# Altium PCB MB1191.PcbDoc (part 2 of 7)
Units mm, origin at the board's own origin, x right, y up, seen from the top; angles counter-clockwise.
Board outline 130 x 80 mm, 8 copper layers (Top, F2, F3, F4, F5, F6, F7, Bottom), stack 1.115 mm thick; 358 components, 347 nets, 1452 pads, 1074 vias.
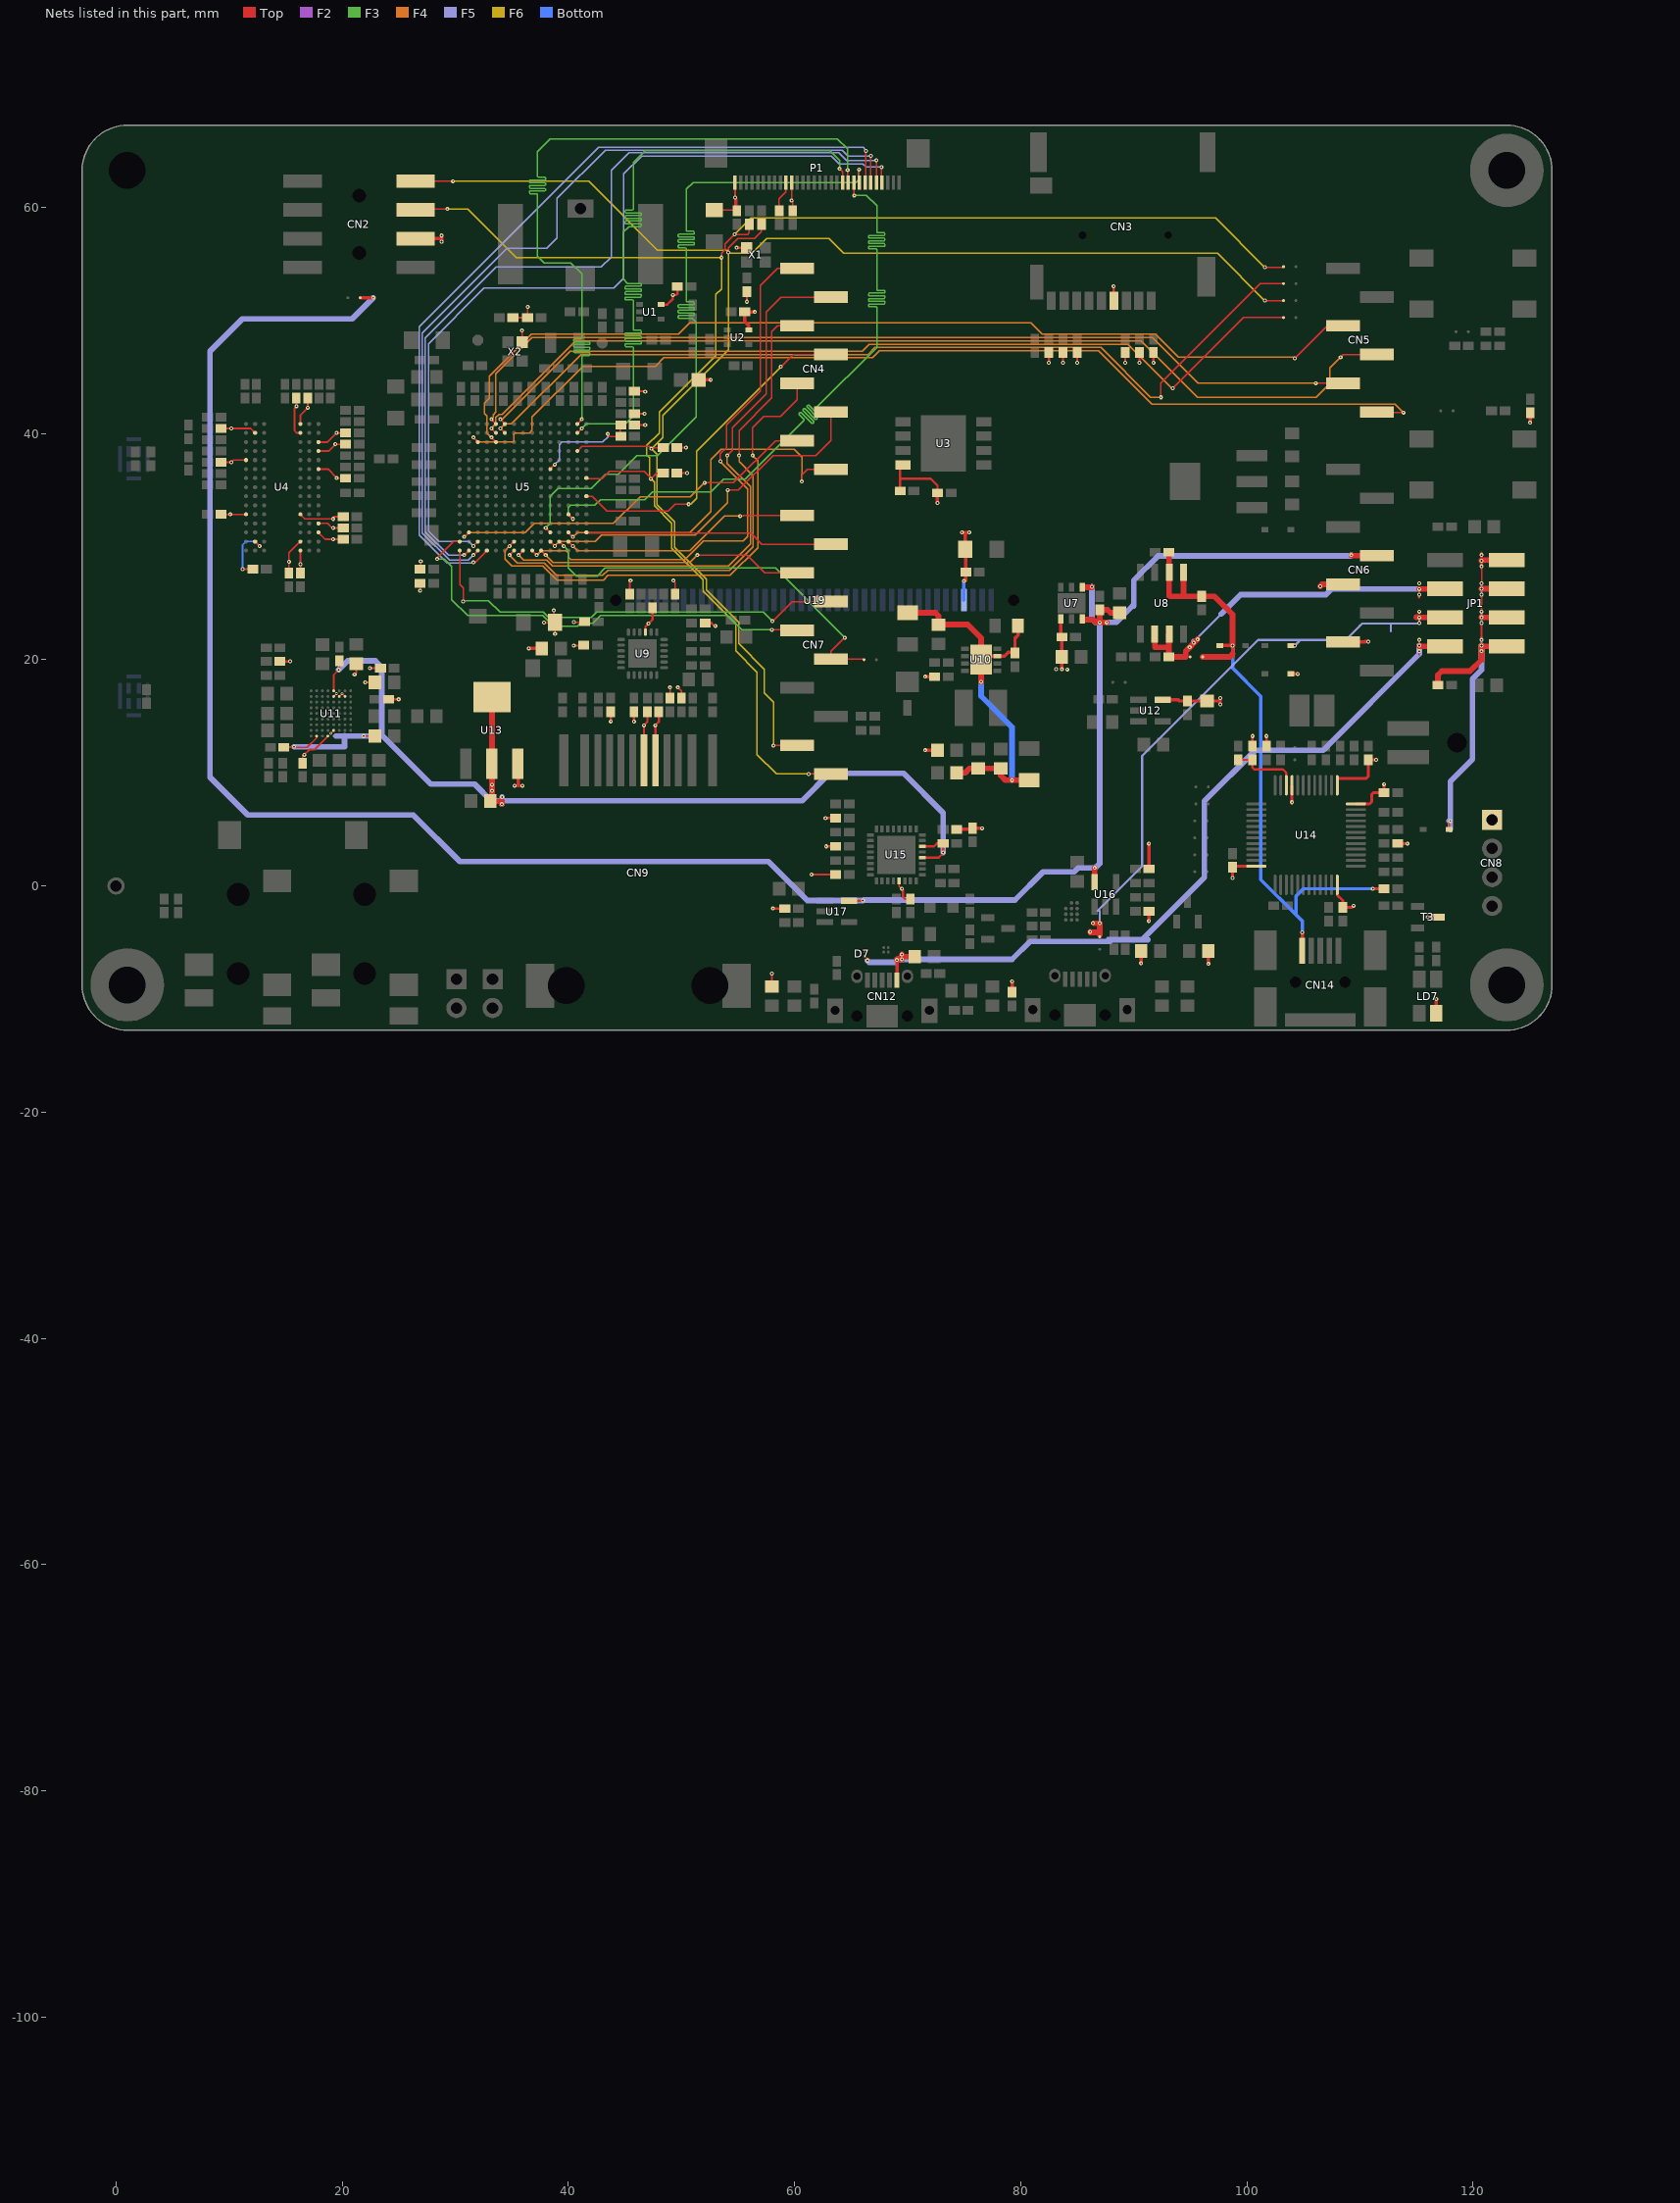
[diagram p8: the nets of this part, all layers, seen from the top]

## Footprints (in the part's own frame and the unit in brackets; to place one, negate y for a bottom-side part, rotate by r counter-clockwise, add the part's x,y. Pads: shape width x height; smd on the part's side, far side on the other; paste and mask are expansions set on the pad) (continued)
QFN24_0R5_4X4 [mm]
  oval 0.69x0.28 smd: 1(-1.9,1.25) 2(-1.9,0.75) 3(-1.9,0.25) 4(-1.9,-0.25) 5(-1.9,-0.75) 6(-1.9,-1.25) 13(1.9,-1.25) 14(1.9,-0.75) 15(1.9,-0.25) 16(1.9,0.25) 17(1.9,0.75) 18(1.9,1.25)
  oval 0.28x0.69 smd: 7(-1.25,-1.9) 8(-0.75,-1.9) 9(-0.25,-1.9) 10(0.25,-1.9) 11(0.75,-1.9) 12(1.25,-1.9) 19(1.25,1.9) 20(0.75,1.9) 21(0.25,1.9) 22(-0.25,1.9) 23(-0.75,1.9) 24(-1.25,1.9)
  rect 2.5x2.5 smd: 25(0,0)
  silkscreen extent -2.82,-2.5 2.5,2.5
QFN32_0R5_5X5 [mm]
  rect 0.6x0.3 smd: 1(-2.3,1.75) 2(-2.3,1.25) 3(-2.3,0.75) 4(-2.3,0.25) 5(-2.3,-0.25) 6(-2.3,-0.75) 7(-2.3,-1.25) 8(-2.3,-1.75) 17(2.3,-1.75) 18(2.3,-1.25) 19(2.3,-0.75) 20(2.3,-0.25) 21(2.3,0.25) 22(2.3,0.75) 23(2.3,1.25) 24(2.3,1.75)
  rect 0.3x0.6 smd: 9(-1.75,-2.3) 10(-1.25,-2.3) 11(-0.75,-2.3) 12(-0.25,-2.3) 13(0.25,-2.3) 14(0.75,-2.3) 15(1.25,-2.3) 16(1.75,-2.3) 25(1.75,2.3) 26(1.25,2.3) 27(0.75,2.3) 28(0.25,2.3) 29(-0.25,2.3) 30(-0.75,2.3) 31(-1.25,2.3) 32(-1.75,2.3)
  rect 3.4x3.4 smd: 33(0,0)
  silkscreen extent -3.05,-3.05 3.05,3.05
"QFP48 7X7" [mm]
  oval 1.803x0.257 smd: 1(-4.4,2.75) 12(-4.4,-2.75) 25(4.4,-2.75) 36(4.4,2.75)
  oval 1.803x0.254 smd: 2(-4.4,2.25) 3(-4.4,1.75) 4(-4.4,1.25) 5(-4.4,0.75) 6(-4.4,0.25) 7(-4.4,-0.25) 8(-4.4,-0.75) 9(-4.4,-1.25) 10(-4.4,-1.75) 11(-4.4,-2.25) 26(4.4,-2.25) 27(4.4,-1.75) 28(4.4,-1.25) 29(4.4,-0.75) 30(4.4,-0.25) 31(4.4,0.25) 32(4.4,0.75) 33(4.4,1.25) 34(4.4,1.75) 35(4.4,2.25)
  oval 0.257x1.803 smd: 13(-2.75,-4.4) 24(2.75,-4.4) 37(2.75,4.4) 48(-2.75,4.4)
  oval 0.254x1.803 smd: 14(-2.25,-4.4) 15(-1.75,-4.4) 16(-1.25,-4.4) 17(-0.75,-4.4) 18(-0.25,-4.4) 19(0.25,-4.4) 20(0.75,-4.4) 21(1.25,-4.4) 22(1.75,-4.4) 23(2.25,-4.4) 38(2.25,4.4) 39(1.75,4.4) 40(1.25,4.4) 41(0.75,4.4) 42(0.25,4.4) 43(-0.25,4.4) 44(-0.75,4.4) 45(-1.25,4.4) 46(-1.75,4.4) 47(-2.25,4.4)
  silkscreen extent -3.96,-2.98 2.97,3.96
RCA_SMD [mm]
  rect 1.6x2.3 hole 1 square mask+0.05: 1(0,0)
  rect 7.1x2.2 smd mask+0.05: 1(3.15,6.2) 1(3.15,-6.2)
  rect 2.2x2.6 smd mask+0.05: 2(6.2,0)
  silkscreen extent -8.5,-5 4.98,5, body extent -8.52,-7 6.5,7, height 12.1
RJ45_HR961160C [mm]
  rect 0.8x4.6 smd: 1(6.579,19.914) 2(4.75,19.914) 11(-4.75,19.914) 12(-6.579,19.914)
  rect 0.6x4.6 smd: 3(3.556,19.914) 4(2.54,19.914) 5(1.524,19.914) 6(0.508,19.914) 7(-0.508,19.914) 8(-1.524,19.914) 9(-2.54,19.914) 10(-3.556,19.914)
  rect 2.5x3.9 smd: 13(8.687,0) 14(-8.687,0)
  round 2.5 hole 3.25 unplated: 15(-6.35,0) 16(6.35,0)
  silkscreen extent -10.67,-5.28 10.67,20.12
SIP1/2.54 [mil]
  round 60 hole 39.37: 1(0,0)
  silkscreen extent -45,-45 45,45
SIP2/2.54 [mil]
  rect 70x70 hole 39.37: 1(0,0)
  round 70 hole 39.37: 2(100,0)
  silkscreen extent -50,-50 150,50
SMDTEST-1MM [mil]
  round 39 smd: 1(0,0)
SO-8 [mil]
  rect 24x60 smd: 1(-75,-107.5) 2(-25,-107.5) 3(25,-107.5) 4(75,-107.5) 5(75,107.5) 6(25,107.5) 7(-25,107.5) 8(-75,107.5)
  silkscreen extent -118,-102 100,68
SOD323/A [mm]
  rect 0.6x0.45 smd: 1(1.143,0) 2(-1.143,0)
  silkscreen extent -0.46,-0.57 0.56,0.57
SOT23 [mm]
  rect 1.2x0.6 smd: 1(-0.9,0.95) 2(-0.9,-0.95) 3(0.9,0)
  silkscreen extent 0.1,-1.5 0.7,1.5
SOT23-5L [mm]
  rect 0.55x1.45 smd: 1(-0.95,-1.075) 2(0,-1.075) 3(0.95,-1.075) 4(0.95,1.075) 5(-0.95,1.075)
  silkscreen extent -1.5,-2.1 1.5,2
SOT353 [mm]
  rect 0.42x0.6 smd: 1(-0.65,-0.95) 2(0,-0.95) 3(0.65,-0.95) 4(0.65,0.95) 5(-0.65,0.95)
  silkscreen extent -1.4,-1.8 1.5,1.8
SOT-223 [mm]
  rect 2.7x1 smd: 1(-2.95,2.3) 2(-2.95,0) 3(-2.95,-2.3)
  rect 2.7x3.3 smd: 4(2.95,0)
  silkscreen extent -3.08,-3.35 1.3,3.47
SSM-104-L-DH [mm]
  rect 1.2x3.4 smd: 1(3.81,-5) 2(3.81,5) 3(1.27,-5) 4(1.27,5) 5(-1.27,-5) 6(-1.27,5) 7(-3.81,-5) 8(-3.81,5)
  round 0.8 hole 1.2 unplated: 9(2.54,0) 10(-2.54,0)
  silkscreen extent -5.08,-3.18 5.08,3.18
TAN-A [mil]
  rect 50x60 smd: 1(55,0) 2(-55,0)
  silkscreen extent -94,-43 102,43
TSM-102-01-F-SH-A [mm]
  round 0 hole 1.73 unplated mask+0.05: 0(0,0)
  rect 3.68x1.27 smd paste+0 mask+0.05: 1(-4.3,1.27) 2(-4.3,-1.27)
  silkscreen extent -2.3,-2.54 7.11,2.54, body extent -5.84,-2.54 7.11,2.54, height 3.05
TSM-104-01-X-DV [mil]
  rect 50x124 smd: 1(-150,-107.5) 2(-150,107.5) 3(-50,-107.5) 4(-50,107.5) 5(50,-107.5) 6(50,107.5) 7(150,-107.52) 8(150,107.52)
  silkscreen extent -200,-100 200,100
USB-MICRO-AB [mm]
  rect 1.35x0.4 smd: 1(0,-1.3) 2(0,-0.65) 3(0,0) 4(0,0.65) 5(0,1.3)
  rect 2x2.8 smd: 6(-3.2,0)
  rect 2.15x1.4 hole 0.8 slot 1.4 at 0 deg copper offset -0.05,0: 6(-2.675,4.175) 6(-2.675,-4.175)
  oval 1.2x1 hole 0.65 slot 0.85 at 0 deg: 6(0.325,2.225) 6(0.325,-2.225)
  round 0.8 hole 1 unplated: 11(-3.175,2.225) 12(-3.175,-2.225)
  silkscreen extent -4.9,-4 -0.3,4
USB-MINI-B-SMD [mm]
  rect 0.5x2.3 smd: 1(1.597,-2.75) 2(0.797,-2.75) 3(-0.003,-2.75) 4(-0.803,-2.75) 5(-1.603,-2.75)
  rect 2x3.5 smd: 6(-4.853,-2.8) 6(-4.853,2.2) 6(4.847,-2.8) 6(4.847,2.2)
  rect 6.2x1.2 smd: 6(0,3.35)
  round 0.5 hole 1 unplated: 11(2.194,0) 12(-2.2,0)
  silkscreen extent -3.85,-4.76 3.85,5.9
W-PDFN-8_8X6_P127 [mm]
  rect 1.35x0.8 smd mask+0.05: 1(-3.575,1.905) 2(-3.575,0.635) 3(-3.575,-0.635) 4(-3.575,-1.905) 5(3.575,-1.905) 6(3.575,-0.635) 7(3.575,0.635) 8(3.575,1.905)
  rect 4x5 smd mask+0.05: 9(0,0)
  silkscreen extent -4.47,-3 4,3, body extent -4,-3 4,3, height 0.81
XTAL_2SM_3R2X1R5 [mm]
  rect 1x1.8 smd: 1(-1.25,0) 2(1.25,0)
  silkscreen extent -2.39,-1.37 2.39,1.37
XTAL_2SM_3R2X2R5 [mm]
  rect 1.8x2.8 smd: 1(-1.1,0) 2(1.1,0)
  silkscreen extent -2.5,-1.8 2.5,1.8

## Part data
B1: "Non-Open Push-Button 0.1A 24V", Manuf_1=wealthmetal, Manuf_2=FARNELL, Manuf_Part_1=TD0341X-G01-BLU, Manuf_Part_2=535-930, Distrib=JFVNY, ECCN_US/EU=n/a, Ref St=9180120
B2: "Non-Open Push-Button 0.1A 24V", Manuf_1=wealthmetal, Manuf_2=FARNELL, Manuf_Part_1=TD0341X-G01-BLA, Manuf_Part_2=535-930, Distrib=JFVNY, ECCN_US/EU=n/a, Ref St=9180120
C1 C63 C73: library part Cap_10uF_POL_10%_TANA, "Polarized Capacitor,10uF,10V,10%,typeA,VISHAY", Manuf_1=VISHAY, Manuf_Part_1=293D106X9010A2TE3, ECCN_US/EU=n/a, Revision="July-2002: Re-released for DXP Platform."
C2 C3 C4 C5 C7 C10 C11 C15 C16 C18 C19 C20 C21 C22 C23 C24 C25 C26 C27 C28 C30 C31 C32 C33 C34 C35 C36 C37 C38 C39 C40 C42 C43 C44 C45 C46 C50 C51 C52 C53 C55 C56 C57 C58 C59 C60 C61 C68 C70 C72 C74 C76 C77 C81 C82 C83 C84 C85 C92 C98 C101 C102 C103 C109 C110 C111 C113 C115 C116 C117 C118 C120 C121 C122 C123: library part Cap_100nF_X7R_10%_0402, "Capacitor,100nF,16V,X7R,10%,0402,YAGEO", Manuf_1=YAGEO, Manuf_Part_1=CC0402KRX7R7BB104, Order=CC0402KRX7R7BB104, Revision="July-2002: Re-released for DXP Platform."
  C15 C16 C26 C27 C28 C30 C31 C34 C38 C42 C43 C45 C46 C50 C51 C52 C53 C70 C72 C77 C92 C102 C103 C115: ECCN_US/EU=n/a
C6 C9: library part Cap_22nF_X7R_10%_0402, "Capacitor,22nF,16V,X7R,10%,0402,YAGEO", Manuf_1=YAGEO, Manuf_Part_1=CC0402KRX7R7BB223, ECCN_US/EU=n/a, Order=CC0402KRX7R7BB223, Revision="July-2002: Re-released for DXP Platform."
C8 C17: library part Cap_1uF_POL_10%_TANA, "Polarized Capacitor,1uF,16V,10%,typeA,AVX", Manuf_1=AVX, Manuf_Part_1=TAJA105K016R, ECCN_US/EU=n/a, Order=TAJA105K016R, Revision="July-2002: Re-released for DXP Platform."
C12 C13: library part Cap_4.7pF_NPO_-+0.25pF_0402, "Capacitor, 4.7pF, 50V, NPO, -+0.25pF, 0402, YAGEO", Manuf_1=YAGEO, Manuf_Part_1=CC0402CRNPO9BN4R7, Distrib=DIGIKEY, ECCN_US/EU=n/a, Order=311-1367-2-ND, Revision="July-2002: Re-released for DXP Platform."
C14 C49 C54: library part Cap_4.7uF_POL_10%_TANA, "Polarized Capacitor,4.7uF,16V,10%,typeA,AVX", Manuf_1=AVX, Manuf_Part_1=TAJA475K016R, ECCN_US/EU=n/a, Order=TAJA475K016R, Revision="July-2002: Re-released for DXP Platform."
C29 C41: library part Cap_10uF_X5R_10%_0805, "Capacitor,10uF,25V,X5R,10%,0805,YAGEO", Manuf_1=YAGEO, Manuf_Part_1=CC0805KRX5R8BB106, ECCN_US/EU=n/a, Order=CC0805KRX5R8BB106, Revision="July-2002: Re-released for DXP Platform."
C47 C48: library part Cap_2.2uF_X7R_10%_1206, "Capacitor,2.2uF,16V, X7R,10%,1206,YAGEO", Manuf_1=YAGEO, Manuf_2=KEMET, Manuf_Part_1=CC1206KKX7R7BB225, Manuf_Part_2=C1206C225K4RAC, ECCN_US/EU=n/a, Order=CC1206KKX7R7BB225, Revision="July-2002: Re-released for DXP Platform."
C62 C67 C69 C71 C75 C86 C89 C91 C106 C107: library part Cap_1uF_X5R_10%_0603, "Capacitor,1uF,16V,X5R,10%,0603,YAGEO", Manuf_1=YAGEO, Manuf_Part_1=CC0603KRX5R7BB105, Order=CC0603KRX5R7BB105, Revision="July-2002: Re-released for DXP Platform."
  C67 C69 C71 C89 C106 C107: ECCN_US/EU=n/a
C64: library part Cap_4.7uF_X7R_10%_1206, "Capacitor,4.7uF,50V, X7R,10%,1206,AVX", Manuf_1=AVX, Manuf_Part_1=12065C475KAT2A, Distrib=FARNELL, ECCN_US/EU=n/a, Revision="July-2002: Re-released for DXP Platform."
C65 C94 C96: library part Cap_10nF_X7R_10%_0603, "Capacitor,10nF,50V,X7R,10%,0603,YAGEO", Manuf_1=YAGEO, Manuf_Part_1=CC0603KRX7R9BB103, Order=CC0603KRX7R9BB103, Revision="July-2002: Re-released for DXP Platform."
  C65 C96: ECCN_US/EU=n/a
C66: library part Cap_470pF_X7R_10%_0402, "Capacitor,470pF,16V,X7R,10%,0402,YAGEO", Manuf_1=AVX, Manuf_Part_1=0402YC471KAT4A, ECCN_US/EU=n/a, Order=0402YC471KAT4A, Revision="July-2002: Re-released for DXP Platform."
C78 C80 C87: library part Cap_2.2uF_X5R_10%_0603, "Capacitor,2.2uF,10V, X5R,10%,0603,YAGEO", Manuf_1=YAGEO, Manuf_2=KEMET, Manuf_Part_1=CC0603KRX5R6BB225, Manuf_Part_2=C0603C225K8PACTU, ECCN_US/EU=n/a, Revision="July-2002: Re-released for DXP Platform."
C79 C88 C93 C104 C105 C112 C114: library part Cap_4.7uF_X5R_10%_0603, "Capacitor,4.7uF,16V, X5R,10%,0603,YAGEO", Manuf_1=YAGEO, Manuf_Part_1=CC0603KRX5R7BB475, ECCN_US/EU=n/a, Order=CC0603KRX5R7BB105, Revision="July-2002: Re-released for DXP Platform."
C90: library part Cap_NA_0402, "Capacitor,NA,0402", ECCN_US/EU=n/a, Fitted=NO, Revision="July-2002: Re-released for DXP Platform."
C95: library part Cap_100nF_X7R_10%_0603, "Capacitor,100nF,16V,X7R,10%,0603,YAGEO", Manuf_1=YAGEO, Manuf_Part_1=CC0603KRX7R9BB104, ECCN_US/EU=n/a, Order=CC0603KRX7R9BB104, Revision="July-2002: Re-released for DXP Platform."
C97: library part Cap_4.7uF_X5R_10%_1206, "Capacitor,4.7uF,16V, X5R,10%,1206,AVX", Manuf_1=AVX, Manuf_Part_1=1206YD475KAT2A, Distrib=FARNELL, ECCN_US/EU=n/a, Revision="July-2002: Re-released for DXP Platform."
C99 C100: library part Cap_10pF_NPO_5%_0402, "Capacitor,10pF,50V,NPO,5%,0402,YAGEO", Manuf_1=YAGEO, Manuf_Part_1=CC0402JRNPO9BN100, ECCN_US/EU=n/a, Order=CC0402JRNPO9BN100, Revision="July-2002: Re-released for DXP Platform."
C108: library part Cap_10uF_X5R_10%_0603, "Capacitor,10uF,6.3V,X5R,10%,0603,YAGEO", Manuf_1=YAGEO, Manuf_Part_1=CC0603KRX5R5BB106, ECCN_US/EU=n/a, Order=CC0603KRX5R5BB106, Revision="July-2002: Re-released for DXP Platform."
C119: library part Cap_2.2uF_X7R_10%_0805, "Capacitor,2.2uF,16V, X7R,10%,0805,YAGEO", Manuf_1=YAGEO, Manuf_Part_1=CC0805KKX7R7BB225, ECCN_US/EU=n/a, Order=CC0805KKX7R7BB225, Revision="July-2002: Re-released for DXP Platform."
CN1: "RCA Phono Jack, Right Angle, SMD, Yellow", Manuf_1=Jiubaba, Manuf_Part_1=JBB0819100002
CN2: "Header, 5-Pins, Horizontal Dual row, female SMD", Manuf_1=TOWNES, Manuf_2=SAMTEC, Manuf_Part_2=SSM-104-L-DH, ECCN_US/EU=n/a, Manuf_Part_1=F206A-2*04MGF-A, Revision="17-Jul-2002: Re-released for DXP Platform."
CN3: library part microSD-PJS008-2003, "Memory Card Connectors MicroSD Card Conn Revrs Mnt Push-Push", Manuf_1=YAMAICHI, ECCN_US/EU=N/A, Manuf_Part_1=PJS008-2003-1, Order=PJS008-2003-1
CN4 CN6: library part F201-1*08MGF-W1-BA, "Header, 8-Pins, Single row, female SMD", Manuf_1=TOWNES, Manuf_2=SAMTEC, Manuf_Part_2=SSW-108-22-L-S-VS, Distrib="Sub Co", ECCN_US/EU=n/a, Manuf_Part_1=F201-1*08MGF-W1-LBE
CN5: library part F201-1*06MGF-W1-BA, "Header, 6-Pins, Single row, female SMD", Manuf_1=TOWNES, Manuf_2=SAMTEC, Manuf_Part_2=SSW-106-22-L-S-VS, Distrib="Sub Co", ECCN_US/EU=n/a, Manuf_Part_1=F201-1*06MGF-W1-LBE
CN7: library part F201-1*10MGF-W1-BA, "Header, 10-Pins, Single row, female SMD", Manuf_1=TOWNES, Manuf_2=SAMTEC, Manuf_Part_2=SSW-110-22-L-S-VS, Distrib="Sub Co", ECCN_US/EU=n/a, Manuf_Part_1=F201-1*10MGF-W1-LBE
CN8: "Header, 4-Pin", ECCN_US/EU=n/a, Fitted=NO, Publisher="Altium Limited", Revision="17-Jul-2002: Re-released for DXP Platform."
CN9: "100 Base-TX (Fast Ethernet) SMD RJ45 single port (1x1) with LEDS Integrated Magnetics Connector", Manuf_1=HanRun, Manuf_2="Pulse Electronics Corporation", Manuf_3="K.O.D International Holding", Manuf_Part_2=J3011G21DNLT, Manuf_Part_3=RMT-119A-12F6-GY-04, Distrib="Sub Co", Manuf_Part_1=HR961160C
CN10: "Connector Jack Stereo 3.5mm, female SMT, Green (Line output)", Manuf_1=qiaod, Manuf_Part_2=PJ30280-3_GR, ECCN_US/EU=n/a, Manuf_Part_1=PJ3028B-3_GR
CN11: "Connector Jack Stereo 3.5mm, female SMT, Blue (Line input)", Manuf_1=qiaod, Manuf_Part_2=PJ30280-3_BE, ECCN_US/EU=n/a, Manuf_Part_1=PJ3028B-3_BE
CN12 CN13: "USB-MICRO-AB, 47590-0001, SMT, MOLEX", Manuf_1=MOLEX, Manuf_Part_1=47590-0001, ECCN_US/EU=n/a, Ref St=xxxxxxx
CN14: library part "USB-MINI-typeB connector", "USB-MINI-typeB connector", Manuf_2=lyconn, Manuf_3=TOWNES, Manuf_Part_1=5075BMR-05-SM, Manuf_Part_2=218205M1110T, Manuf_Part_3=MUSB5QS-BM1H6-NLB-E, ECCN_US/EU=n/a
D1 D2 D3 D4 D6: Manuf_1=STM, Distrib=ST, ECCN_US/EU=EAR99/NEC, Manuf_Part_1=BAT60JFILM, Order=BAT60JFILM, Provided=ST, Ref St=9151097, Revision="July-2002: Re-released for DXP Platform."
D5: "Low Drop power Schottky rectifier(1A, 40V, 0.4V)", Manuf_1=STM, Distrib=ST, ECCN_US/EU=EAR99/NEC, Manuf_Part_1=STPS1L40M, Order=STPS1L40M, Provided=ST, Ref St=9151085
D7: "Quad bidirectional Transil array for ESD protection", Manuf_1=STM, Distrib=ST, ECCN_US/EU=EAR99/NEC, Manuf_Part_1=ESDA14V2-2BF3, Provided=ST, Ref St=9179040
JP1: library part Header_4X2_SMD, "Header, 4-Pins, Double row Vertical, SMD, 2.54", Manuf_1=SAMTEC, ECCN_US/EU=n/a, Manuf_Part_1=TSM-104-01-x-DV
JP2: library part JP2_CMS, "Header, 2-Pins, Single row Horizontal SMD, 2.54", Manuf_1=SAMTEC, ECCN_US/EU=EAR99/NEC, Manuf_Part_1=TSM-102-01-F-SH-A
JP3 JP4: library part Jumper2, ECCN_US/EU=n/a, Fitted=NO
L1 L4 L5: library part BEAD_600R_350MA_0603, "Bead,600R,350mA,0603,FCM1608KF-601T03,Tai-tech", Manuf_1=Tai-tech, Manuf_2=TDK, Manuf_3=MURATA, Manuf_Part_2=MPZ1608S300A, Manuf_Part_3=BLM18PG121SN1D, Description_2=Bead,30R,5A,0603,MPZ1608S300A,TDK, Description_3=Bead,120R,2A,0603,BLM18PG121SN1D,MURATA, ECCN_US/EU=n/a, Manuf_Part_1=FCM1608KF-601T03, Revision="July-2002: Re-released for DXP Platform."
L2 L6 L7: library part BEAD_120R_2A_0603, "Bead,120R,2A,0603,BLM18PG121SN1D,MURATA", Manuf_1=MURATA, Manuf_2=TDK, Manuf_3=Tai-tech, Manuf_Part_2=MPZ1608S300A, Manuf_Part_3=FCM1608KF-601T03, Description_2=Bead,30R,5A,0603,MPZ1608S300A,TDK, Description_3=Bead,600R,350mA,0603,FCM1608KF-601T03,Tai-tech, ECCN_US/EU=n/a, Manuf_Part_1=BLM18PG121SN1D, Revision="July-2002: Re-released for DXP Platform."
L3: library part Ind_4.7uH_1A_30%, "FIXED IND 4.7UH 1A 180 MOHM 30% SMD", Manuf_1=MURATA, Manuf_Part_1=LQH32PN4R7NN0L, Distrib=DIGIKEY, ECCN_US/EU=n/a, Order=490-5338-1-ND
LD1 LD4 LD5: library part LED_green, "LED, green, 0603", Manuf_1=everlight, Manuf_Part_1=19-213SYGC/S530-E2/TR8, ECCN_US/EU=EAR99/NEC, Order=19-213SYGC/S530-E2/TR8
LD2 LD3 LD6: library part LED_red, "LED, red, 0603", Manuf_1=everlight, Manuf_Part_1=19-217/R6C-AL1M2VY/3T, ECCN_US/EU=EAR99/NEC, Order=19-217/R6C-AL1M2VY/3T
LD7: "Bicolor Led", Manuf_1="Avago Technologies", Manuf_2=everluck, Manuf_Part_1=HSMF-A201-A00J1, Manuf_Part_2=LE-RGW35280, Distrib=RADIOSPARES, ECCN_US/EU=EAR99/NEC, Ref St=xxxxxx
P1: "TOWNES -  Connector FFC/FPC ZIF 0.5mm 30 pins, Lower Contacts", Manuf_1=TOWNES, Manuf_Part_2=TFP-A330ZH-BT1-ECX, Distrib="Sub Co", ECCN_US/EU=n/a, Manuf_2=TOWNES, Manuf_Part_1=FPU330ZH-BT1D3-CA
R1 R2 R3 R7 R10 R29 R30 R33 R58 R78 R114 R118 R127: library part Res_100_1%_0402, "Resistor,100,0402,1%,YAGEO", Manuf_1=YAGEO, Manuf_Part_1=RC0402FR-07100RL, Distrib=FARNELL, ECCN_US/EU=n/a, Order=9239111
R4 R5 R18 R19 R20 R23 R24 R25 R26 R27 R34 R36 R37 R38 R39 R40 R41 R43 R45 R47 R48 R49 R50 R51 R52 R53 R55 R56 R57 R60 R87 R88 R95 R101 R116 R120: library part Res_10K_1%_0402, "Resistor,10K,0402,1%,YAGEO", Manuf_1=YAGEO, Manuf_Part_1=RC0402FR-0710KL, ECCN_US/EU=n/a, Order=RC0402FR-0710KL
  R39: Fitted=NO
R6: library part Res_75_1%_0402, "Resistor,75,0402,1%,YAGEO", Manuf_1=YAGEO, Manuf_Part_1=RC0402FR-0775RL, Distrib=DIGIKEY, ECCN_US/EU=n/a, Order=311-75.0LRTR-ND
R8 R12 R35 R42 R63 R80 R100 R103 R106 R111: library part Res_NA_0402, "Resistor,[NA],0402", ECCN_US/EU=n/a, Fitted=NO
R9 R22: library part Res_1M_1%_0402, "Resistor,1M,0402,1%,YAGEO", Manuf_1=YAGEO, Manuf_Part_1=RC0402FR-071ML, ECCN_US/EU=n/a, Order=RC0402FR-071ML
R11 R31 R32 R44 R64 R76 R81 R83 R96 R104 R107 R109 R110 R113 R117 R119 R125 R130 R132 R133: library part Res_0_5%_0402, "Resistor,0,0402,5%,YAGEO", Manuf_1=YAGEO, Manuf_Part_1=RC0402JR-070RL, Distrib=FARNELL, ECCN_US/EU=n/a, Order=2363467
  R109: Fitted=NO
R13 R14 R15 R16 R17 R124 R126 R134: library part Res_47K_1%_0402, "Resistor,47K,0402,1%,YAGEO", Manuf_1=YAGEO, Manuf_Part_1=RC0402FR-0747KL, Distrib=FARNELL, ECCN_US/EU=n/a, Order=9239430
R21 R28: library part Res_0_5%_0603, "Resistor,0,0603,5%,YAGEO", Manuf_1=YAGEO, Manuf_Part_1=RC0603JR-070RL, Distrib=FARNELL, ECCN_US/EU=n/a, Order=2363481
R46 R54 R61 R62 R79 R108: library part Res_2K7_1%_0402, "Resistor,2K7,0402,1%,YAGEO", Manuf_1=YAGEO, Manuf_Part_1=RC0402FR-072K7L, Distrib=FARNELL, ECCN_US/EU=n/a, Order=RC0402FR-072K7L
R59: library part Res_510_1%_0402, "Resistor,510,0402,1%,YAGEO", Manuf_1=YAGEO, Manuf_Part_1=RC0402FR-07510L, Distrib=DIGIKEY, ECCN_US/EU=n/a, Order=RC0402FR-07510L
R65 R128: library part Res_1K5_1%_0402, "Resistor,1K5,0402,1%,YAGEO", Manuf_1=YAGEO, Manuf_Part_1=RC0402FR-071K5L, Distrib=FARNELL, ECCN_US/EU=n/a, Order=RC0402FR-071K5L
R66 R69 R71: library part Res_33_1%_0402, "Resistor,33,0402,1%,YAGEO", Manuf_1=YAGEO, Manuf_Part_1=RC0402FR-0733RL, Distrib=FARNELL, ECCN_US/EU=n/a
R67 R68 R70 R73 R74 R77 R85 R97 R98 R112: library part Res_4K7_1%_0402, "Resistor,4K7,0402,1%,YAGEO", Manuf_1=YAGEO, Manuf_Part_1=RT0402FRE074K7L, ECCN_US/EU=n/a, Order=RT0402FRE074K7L
R72 R82 R99 R105 R131 R135: library part Res_100K_1%_0402, "Resistor,100K,0402,1%,YAGEO", Manuf_1=YAGEO, Manuf_Part_1=RT0402FRE07100KL, ECCN_US/EU=n/a, Order=RT0402FRE07100KL
R75: library part Res_10_1%_0805, "Resistor,10,0805,1%,Stackpole,1/4W", Manuf_1="Stackpole Electronics Inc", Manuf_Part_1=RNCP0805FTD10R0, ECCN_US/EU=n/a, Order=RNCP0805FTD10R0
R84: library part Res_12K1_1%_0603, "Resistor,12K1,0603,1%,VISHAY", Manuf_1=VISHAY, Manuf_Part_1="MCT 0603-50 1% P5 12K1", Distrib=FARNELL, ECCN_US/EU=n/a, Order=2325243
R86: library part Res_1K_1%_0402, "Resistor,1K,0402,1%,YAGEO", Manuf_1=YAGEO, Manuf_Part_1=RC0402FR-071KL, ECCN_US/EU=n/a, Order=RC0402FR-071KL
R89 R94 R138 R139 R141: library part Res_330_1%_0402, "Resistor,330,0402,1%,YAGEO", Manuf_1=YAGEO, Manuf_Part_1=RC0402FR-07330RL, Distrib=DIGIKEY, ECCN_US/EU=n/a, Order=RC0402FR-07330RL
R90 R91 R92 R93: library part Res_50_1%_0402, "Resistor,50,0402,1%,YAGEO", Manuf_1=YAGEO, Manuf_Part_1=RC0402FR-0749R9L, Distrib=FARNELL, ECCN_US/EU=n/a
R102 R121: library part Res_20_1%_0402, "Resistor,20,0402,1%,YAGEO", Manuf_1=YAGEO, Manuf_Part_1=RC0402FR-0720RL, ECCN_US/EU=n/a
R115: library part Res_8K06_1%_0402, "Resistor,8K06,0402,1%,YAGEO", Manuf_1=YAGEO, Manuf_Part_1=RC0402FR-078K06L, Distrib=DIGIKEY, ECCN_US/EU=n/a, Order=RC0402FR-078K06L
R122: library part Res_3K3_1%_0402, "Resistor,3K3,0402,1%,YAGEO", Manuf_1=YAGEO, Manuf_Part_1=RC0402FR-073K3L, Distrib=FARNELL, ECCN_US/EU=n/a
R123: library part Res_820_1%_0805, "Resistor,820,0805,1%,YAGEO", Manuf_1=YAGEO, Manuf_Part_1=RC0805FR-07820RL, ECCN_US/EU=n/a, Order=RC0805FR-07820RL
R129: library part Res_36K_1%_0402, "Resistor,36K,0402,1%,YAGEO", Manuf_1=YAGEO, Manuf_Part_1=RC0402FR-0736KL, Distrib=FARNELL, ECCN_US/EU=n/a, Order=RC0402FR-0736KL
R136: library part Res_330_1%_0603, "Resistor,330,0603,1%,YAGEO", Manuf_1=YAGEO, Manuf_Part_1=RT0603FRE07330RL, Distrib=FARNELL, ECCN_US/EU=n/a, Order=1500622RL
R137 R140: library part Res_620_1%_0603, "Resistor,620,0603,1%,VISHAY", Manuf_1="VISHAY DRALORIC", Manuf_Part_1=CRCW0603620RFKEA, Distrib=FARNELL, ECCN_US/EU=n/a, Order=2122341
SB1 SB2 SB4 SB9 SB11: library part SB_OFF, ECCN_US/EU=n/a, Revision="July-2002: Re-released for DXP Platform.", Solder=NO
SB3 SB5 SB6 SB7 SB8 SB10 SB12 SB13 SB14 SB15 SB16 SB17 SB18: library part SB_ON, ECCN_US/EU=n/a, Revision="July-2002: Re-released for DXP Platform.", Solder=YES
T1 T2 T3: "NPN Bipolar Transistor", Manuf_1=NXP, Manuf_Part_1=BSR14, Distrib=FARNELL, ECCN_US/EU=EAR99/NEC, Order=1081310, Revision="July-2002: Re-released for DXP Platform."
TP1 TP2: "Test Point", ECCN_US/EU=n/a
TP3: library part TP1, "Test Point", ECCN_US/EU=n/a, Fitted=NO
U1 U2: "Single inverter gate with a standard push-pull output. (1.65V to 5.5V)", Manuf_1=DIODES, Manuf_Part_1=74LVC1G04SE-7, Distrib=FARNELL, ECCN_US/EU=EAR99/NEC, Order=1845218
U3: "128Mb, 3V, Multiple I/O Serial Flash Memory, Quad/Dual", Manuf_1=MICRON, ECCN_US/EU=3A991/NEC, Manuf_Part_1=MT25QL128ABA1EW9-0SIT, Provided=ST
U4: library part MT48LC4M32B2B5-6A, "SDRAM 128MBIT (4M x 32) 166MHZ 90-VFBGA (8x13)", Manuf_1=ISSI, Manuf_Part_1=IS42S32400F-6BL, ECCN_US/EU=EAR99/NEC, Order=IS42S32400F-6BL-ND, Provided=SUBCO
U5: library part STM32F746NGH6U, "STM32F746NGH6 (STM32F7 Birdie) TBGA216", Manuf_1=STM, Distrib=ST, ECCN_US/EU=3A991A2/NEC, Manuf_Part_1=STM32F746NGH6U, Order=STM32F746NGH6U, Provided=ST, Ref St=9175176
U6: "IC REG LDO 5V 0.8A SOT223", Manuf_1=STM, Distrib=ST, ECCN_US/EU=EAR99/NEC, Manuf_Part_1=LD1117S50TR, Order=LD1117S50TR, Ordered by=ST, Provided=ST, Ref St=9176133
U7: library part LD39050P, "Ultra low drop-low , 500 mA low quiescent current", Manuf_1=STM, Distrib=ST, ECCN_US/EU=EAR99/NEC, Manuf_Part_1=LD39050PU33R, Order=LD39050PU33R, Provided=ST, Ref St=xxxxxxxx
U8: "1.2 A current limited high-side power switch with thermal shutdown", Manuf_1=STM, Distrib=ST, ECCN_US/EU=EAR99/NEC, Manuf_Part_1=ST890CDR, Provided=ST
U9: "LAN8742A-CZ-TR - Small Footprint RMII 10/100 Ethernet, Transceiver with HP Auto-MDIX and flexPWR Technology SQFN-24", Manuf_1=MICROCHIP, Distrib=MICROCHIP, Manuf_Part_1=LAN8742A-CZ-TR, Order=LAN8742A-CZ-TR
U10: "White LED power supply for large display backlight, QFN8", Manuf_1=STM, Distrib=ST, ECCN_US/EU=EAR99/NEC, Manuf_Part_1=STLD40DPUR, Order=STLD40DPUR, Provided=ST, Ref St=xxxxxxxxx
U11: "Multi-Channel Audio Hub CODEC for Smartphones", Manuf_1="Cirrus Logic", Distrib="Cirrus Logic", ECCN_US/EU=EAR99/NEC, Manuf_Part_1=WM8994ECS/R
U12: "Ultra low drop-low noise BiCMOS voltage, regulators low ESR capacitors compatible", Manuf_1=STM, Distrib=ST, ECCN_US/EU=EAR99/NEC, Manuf_Part_1=LD3985M33R, Order=LD3985M33R, Provided=ST, Ref St=9176161
U13: "LOW DROP FIXED AND ADJUSTABLE POSITIVE VOLTAGE REGULATORS (1.8 Volts)", Manuf_1=STM, Distrib=ST, ECCN_US/EU=EAR99/NEC, Manuf_Part_1=LD1117S18TR, Order=LD1117S18TR, Provided=ST, Ref St=9176180
U14: "Medium-density performance line ARM-based 32-bit MCU with 128KB Flash", Manuf_1=STM, Distrib=ST, ECCN_US/EU=3A991A2/NEC, Manuf_Part_1=STM32F103CBT6, Order=STM32F103CBT6, Provided=ST, Ref St=xxxxxxxx
U15: "USB3320C,  Hi-Speed USB Host, Device or OTG PHY with ULPI Low Pin Interface", Manuf_1=MICROCHIP, Manuf_Part_1=USB3320C-EZK-TR, Distrib=MICROCHIP, Order=USB3320C-EZK-TR
U16 U17: "Enhanced single channel power switches", Manuf_1=STM, Distrib=ST, ECCN_US/EU=EAR99/NEC, Provided=ST
  U16: Manuf_Part_1=STMPS2141STR, Order=STMPS2141STR, Ref St=9159003
  U17: Manuf_Part_1=STMPS2151STR, Order=STMPS2151STR, Ref St=xxxxxx
U18: "2-line IPAD, EMI filter including ESD protection", Manuf_1=STM, Distrib=ST, ECCN_US/EU=EAR99/NEC, Manuf_Part_1=EMIF02-USB03F2, Order=EMIF02-USB03F2, Provided=ST, Ref St=9179037
U19: "4.3 inch TFT 480*272 pixels with LED Backlight and Capacitive touch panel, high luminance", Manuf_1=KUNJIAN, Distrib="Sub Co", ECCN_US/EU=EAR99/NEC, Manuf_Part_1=HT043C
U20 U21: "MEMS audio sensor omnidirectional digital microphone for industrial applications", Manuf_1=STMICROELECTRONICS, ECCN_US/EU=EAR99/NEC, Manuf_Part_1=IMP34DT05TR, Provided="SUBCO with ST control"
U22: "3-line low capacitance protection for high speed USB", Manuf_1="ON SEMICONDUCTOR", ECCN_US/EU=EAR99/NEC, Manuf_Part_1=ESD7383NCTBG, Provided=SUBCO
X1: library part OSC_24M_NZ2520SB, "Oscillator 24.00Mhz, -+50PPM, 3.3V, Temp -55 to +125°C", Manuf_1=NDK, Manuf_Part_1="NZ2520SH 24MHz END4869D", ECCN_US/EU=EAR99/NEC, Provided=ST
X2: library part OSC_25M_NZ2520SB, "Oscillator 25.00Mhz, -+50PPM, 3.3V, Temp -55 to +125°C", Manuf_1=NDK, Manuf_Part_1="NZ2520SH 25MHz END4869C", ECCN_US/EU=EAR99/NEC, Provided=ST
X3: library part XTAL_32K_NX3215SA, "Crystal 32.768kHz, 6pF, -+20PPM, R=50K, SMD", Manuf_1=NDK, Manuf_Part_1="NX3215SA 32.768KHz EXS00A-MU00525", ECCN_US/EU=EAR99/NEC, NDK Ref=X3101802, Order="NX3215SA 32.768KHz EXS00A-MU00525", Provided=ST, Ref St=9157034
X4: library part XTAL_8M_NX3225GD, "Crystal 8Mhz, 8pF, -+50PPM, SMD", Manuf_1=NDK, Manuf_Part_1="NX3225GD 8MHz EXS00A-CG04874", Manuf_Part_2=NX3225GD-8.000M-STD-CRA-3, ECCN_US/EU=EAR99/NEC, NDK Ref=X3127326, Order="NX3225GD 8MHz EXS00A-CG04874", Provided=ST, Ref St=9157029

## Free pads (board coordinates)
  round 6.5 hole 3.25: 1(1,-8.75) 1(123,-8.75) 1(123,63.25)
  round 0.508 on Mech6: 1(17.42,-110.927)
  round 0.508 on Mech16: 1(134.189,-110.927)

## Via types
v1: diameter 0.35, hole 0.15, Top to Bottom, tented both sides, 1046 vias
v2: diameter 0.25, hole 0.1, Top to Bottom, tented both sides, 26 vias
v3: diameter 0.3, hole 0.1, Top to Bottom, tented both sides, 2 vias
